# KiCad board ISA_CGA.kicad_pcb (continued)
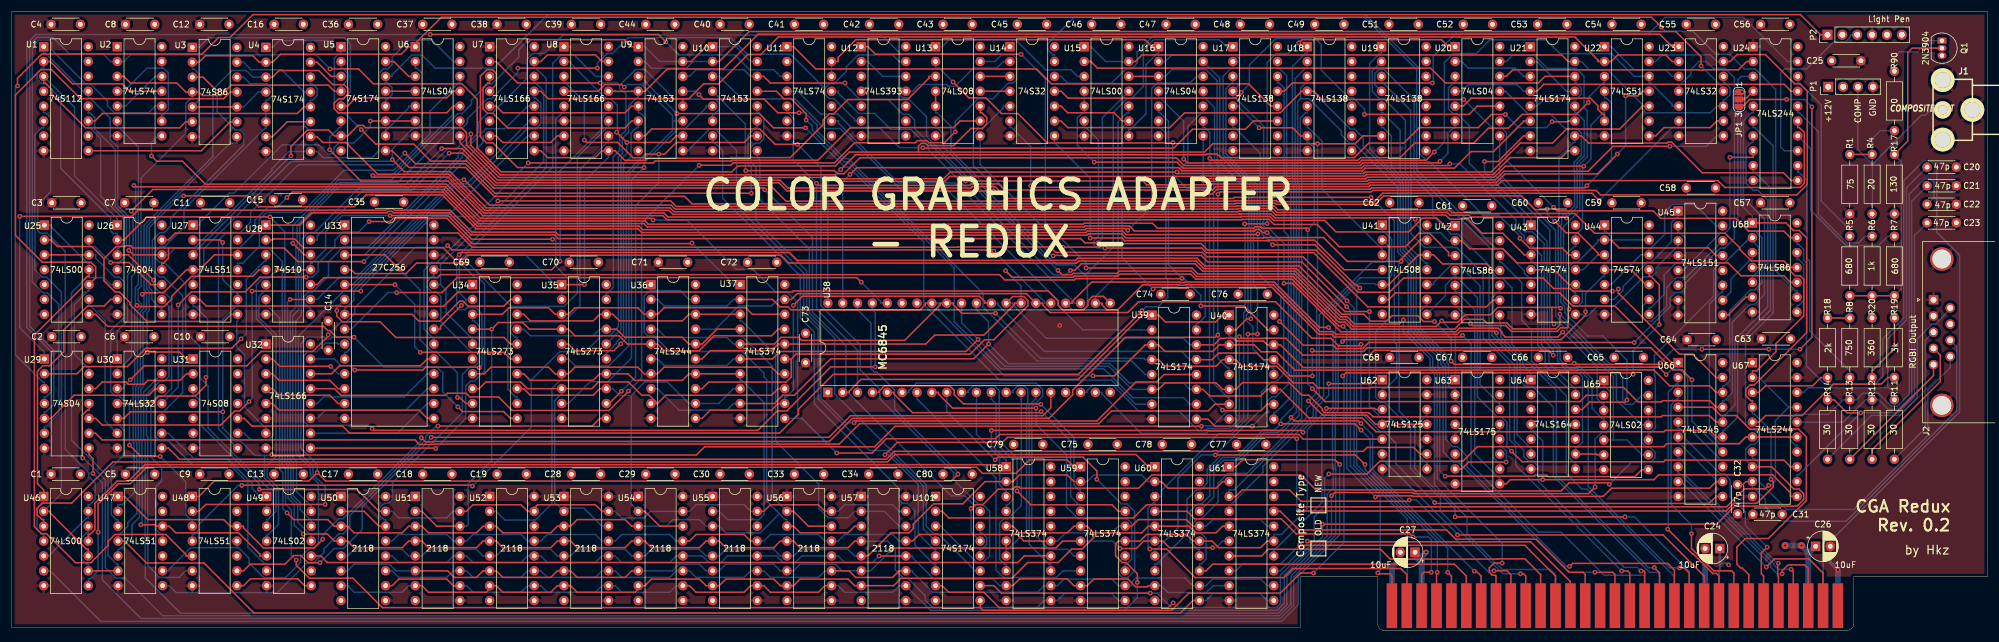
[diagram p0: board, top side]
## Routing (per net, layer and track width the routed paths; a pad name or vN(x,y) marks a point on that pad's centre or on a via; arc(x,y) is an arc through that point) (continued)
Net-(U11-Pad1): length 88
  Top w0.25: U17.12 215.16,89.53 211.35,93.35 177.65,93.35 175.11,95.88 137.4,95.88 133.59,99.69 U11.1
Net-(U11-Pad3): length 197.3
  Top w0.25: v2(71.51,101.78) 110.49,101.78 v2(111.77,100.5)
  Bottom w0.25: v2(111.77,100.5) 113.99,98.28 123.56,98.28 126.1,95.74 130.21,95.74 131.34,94.61 U11.3 ; U29.4 5.59,39.86 5.87,39.86 6.73,40.72 6.73,47.61 2.59,51.75 2.59,100.23 4.14,101.78 v2(71.51,101.78)
Net-(U11-Pad4): length 89.8
  Top w0.25: U17.11 212.19,86.99 210.78,85.58 201.77,85.58 198.53,82.35 155.79,82.35 v2(155.7,82.44)
  Bottom w0.25: U11.4 134.31,92.07 138.2,88.18 141.15,88.18 143.57,85.76 148.38,85.76 151.7,82.44 v2(155.7,82.44)
Net-(U11-Pad12): length 78.5
  Top w0.25: 140.08,97.16 141.21,97.16 141.21,97.86 144.23,100.88 193.65,100.88 194.84,99.69 U16.1
  Bottom w0.25: U15.8 190.88,85.58 191.16,85.58 193.81,88.22 193.81,96.62 195.76,98.57 195.96,98.57 U16.1 ; U11.12 140.08,97.16
Net-(U12-Pad12): length 172.2
  Top w0.25: v2(264.53,54.02) 264.53,52.17 263.87,51.5 256.47,51.5 255.47,52.5 252.04,52.5 251.43,53.12 248.22,53.12 246.55,51.44 229.01,51.44 227.81,52.65 226.73,52.65 218.94,60.43 202.48,60.43 201.56,61.36 189.24,61.36 188.85,60.97 181.41,60.97 181.2,60.75 179.49,60.75 v2(178.77,61.46)
  Bottom w0.25: 145.16,97.16 146.29,97.16 148.83,94.61 151.61,94.61 ; U65.13 278.53,40.13 277.01,38.61 275.65,38.61 275.27,39 275.27,43.28 v2(264.53,54.02) ; 151.61,94.61 151.61,91.61 152.27,90.95 153.05,90.95 156.31,87.69 156.31,84.34 163.18,77.48 163.37,77.48 163.98,76.86 163.98,76.25 v2(178.77,61.46) ; 151.61,94.61 U12.12
Net-(U13-Pad1): length 28.5
  Bottom w0.25: U13.1 158.99,99.69 160.16,100.87 171.53,100.87 176.66,95.74 181.01,95.74 182.14,94.61 U15.3
Net-(U13-Pad9): length 185.3
  Top w0.25: v2(59.66,57.93) v2(41.06,57.93) ; v2(88.26,79.83) 109.63,79.83 109.96,80.16 122.96,80.16 123.09,80.29 137.75,80.29 143.33,85.87 160.92,85.87 162.04,86.99 U13.9 ; v2(40.54,39.04) 38.96,37.47 38.12,37.47 35.73,35.07 15.46,35.07 14.33,36.19 U29.10
  Bottom w0.25: v2(88.26,79.83) 79.1,70.67 71.86,70.67 59.66,58.47 v2(59.66,57.93) ; v2(41.06,57.93) 41.06,39.56 v2(40.54,39.04)
Net-(U13-Pad11): length 5.1
  Top w0.25: U13.11 U14.4
Net-(U13-Pad12): length 5.1
  Top w0.25: U13.12 U14.3
Net-(U14-Pad1): length 149.4
  Bottom w0.25: U14.1 169.44,99.69 168.22,98.47 151.86,98.47 148.66,101.68 94.19,101.68 91.03,98.52 89.04,98.52 88.01,97.49 88.01,94.26 82.05,88.3 81.3,88.3 79.76,86.76 79.76,85.04 76.32,81.59 76.32,80.83 60.96,65.47 56.63,65.47 54.12,62.96 54.12,60.52 51.38,57.78 50.72,57.78 49.93,57 49.93,55.94 50.77,55.1 51.05,55.1 U28.8
Net-(U14-Pad5): length 197.3
  Top w0.25: v2(73.47,82.29) 76.93,82.29 82.77,76.45 131.08,76.45 132.5,75.03 v2(167.76,75.03)
  Bottom w0.25: U49.13 51.18,21.45 50.9,21.45 48.66,23.69 48.66,28.87 48.03,29.5 48.03,53.7 49.01,54.69 49.01,65.29 49.22,65.49 49.22,69.05 56.21,76.05 67.23,76.05 v2(73.47,82.29) ; v2(167.76,75.03) 167.76,75.94 164.33,79.37 164.33,84.9 165.15,85.72 165.91,85.72 169.44,89.25 169.44,89.53 U14.5
Net-(U14-Pad8): length 72.2
  Top w0.25: 234.19,61.59 227.65,61.59 222.61,66.64 214.79,66.64 214.71,66.55 190.16,66.55 189.71,67.01 v2(184.28,67.01)
  Bottom w0.25: U14.8 178.18,83.33 184.28,77.23 v2(184.28,67.01)
Net-(U14-Pad11): length 170.6
  Top w0.25: U65.8 278.53,27.43 277.35,26.26 262.53,26.26 262.29,26.49 260.37,26.49 260.2,26.32 v2(244.93,26.32) ; v2(210.09,91.88) 209.1,90.9 180.48,90.9 179.31,92.07 U14.11
  Bottom w0.25: v2(244.93,26.32) 244.01,27.25 244.01,44.67 243.69,44.99 243.69,46.64 239.07,51.25 239.07,63.01 237.29,64.79 237.29,76.35 230.92,82.71 230.92,84.11 229.42,85.62 228.73,85.62 222.63,91.72 222.63,100.55 222.1,101.09 216,101.09 211.48,96.58 211.48,93.28 v2(210.09,91.88)
Net-(U14-Pad12): length 90.3
  Top w0.25: v2(231.14,88.12) 249.01,88.12 250.42,89.53 U20.10
  Bottom w0.25: v2(231.14,88.12) 231.14,89.01 229.2,90.95 228.5,90.95 223.76,95.69 223.76,100.06 222.27,101.55 195.04,101.55 192.3,98.8 192.3,96.88 191.31,95.88 190.35,95.88 187.89,93.42 180.5,93.42 179.31,94.61 U14.12
Net-(U14-Pad13): length 117.9
  Bottom w0.25: 178.18,97.16 178.18,98.28 177.9,98.28 177,99.18 177,100.18 181.53,104.71 231.13,104.71 240.07,95.76 240.07,78.69 253.52,65.24 254.62,65.24 258.46,61.4 258.46,61.02 259.31,60.18 259.59,60.18 U43.5
Net-(U15-Pad2): length 99
  Top w0.25: 183.26,97.16 184.39,97.16 185.51,96.03 242.45,96.03 244.99,93.49 260.87,93.49 262,94.61 U21.14
  Bottom w0.25: U21.5 260.59,89.53 261.71,90.66 267.27,90.66 268.21,91.6 268.21,92.57 267.28,93.49 267.08,93.49 U21.14
Net-(U15-Pad4): length 125.7
  Top w0.25: v2(184.96,79.97) 199.11,79.97 200.14,78.94 230.63,78.94 231.08,79.39 245.45,79.39 v2(245.73,79.67)
  Bottom w0.25: v2(245.73,79.67) 247.43,79.67 257.06,70.05 257.06,68.69 258.46,67.28 258.46,66.67 259.59,66.67 259.59,65.55 259.87,65.55 261.4,64.02 261.4,48.71 262.67,47.44 262.67,45.66 266.94,41.38 267.21,41.38 U64.13 ; v2(184.96,79.97) 182.07,82.86 182.07,87.5 182.98,88.41 183.26,88.41 U15.5 U15.4
Net-(U15-Pad6): length 96.9
  Top w0.25: U42.9 253.13,56.39 252,55.26 231.68,55.26 222.45,64.5 204.15,64.5 203.36,65.29 v2(186.81,65.29)
  Bottom w0.25: v2(186.81,65.29) 185.47,65.29 184.89,65.87 184.89,66.48 185.69,67.28 185.69,83.72 183.54,85.87 183.26,85.87 U15.6
Net-(U15-Pad11): length 173.5
  Top w0.25: v2(185.61,66.18) 183.39,66.18 182.65,66.91 93.38,66.91 92.74,67.55 78.47,67.55 74.71,71.31 65.22,71.31 64.95,71.58 64.35,71.58 64.09,71.31 51.24,71.31 49.14,69.21 U28.1
  Bottom w0.25: U15.11 186.36,87.56 186.36,66.93 v2(185.61,66.18)
Net-(U15-Pad12): length 71.1
  Top w0.25: U15.12 U16.3
  Bottom w0.25: U40.12 215.65,44.81 215.36,44.81 212.09,48.09 212.09,51.79 210.96,52.92 210.96,53.84 211.24,54.13 211.24,68.72 211.4,68.88 211.4,74.89 205.96,80.32 205.96,93.89 204.07,95.78 198.25,95.78 197.09,94.61 U16.3
Net-(U16-Pad2): length 126.6
  Top w0.25: v2(265.02,50.95) 264.16,50.09 255.21,50.09 254.63,50.68 254.63,50.95 253.98,51.6 247.38,51.6 246.77,50.99 227.11,50.99 218.84,59.26 v2(217.39,59.26)
  Bottom w0.25: v2(217.39,59.26) 217.39,66.08 214.76,68.71 214.25,68.71 213.76,69.2 213.76,69.74 213.92,69.9 213.92,86.1 209.07,90.95 208.66,90.95 U17.4 209.79,93.21 209.79,97.62 209.13,98.28 198.21,98.28 197.09,97.16 195.96,97.16 ; U65.3 272.03,38.72 271.75,38.72 270.91,39.56 270.91,45.06 v2(265.02,50.95)
Net-(U16-Pad4): length 120.6
  Top w0.25: v2(200.25,80.49) 200.9,79.84 230.25,79.84 230.7,80.29 241.66,80.29 v2(243.08,81.71)
  Bottom w0.25: U23.5 283.74,89.53 283.74,89.82 280.06,93.49 279.78,93.49 U22.12 277.24,94.61 273.36,98.5 264.54,98.5 262.17,100.87 252.61,100.87 250.25,98.51 246.35,98.51 244.79,96.95 244.79,83.42 v2(243.08,81.71) ; U16.4 195.96,90.95 196.24,90.95 200.25,86.95 v2(200.25,80.49)
Net-(U16-Pad9): length 323.6
  Top w0.25: U29.9 14.33,33.66 15.46,32.53 68.9,32.53 69.69,31.74 72.1,31.74 72.17,31.81 141.39,31.81 144.89,35.31 185.76,35.31 187.93,37.47 204.43,37.47 205.57,38.61 U40.7 ; v2(269.4,90.17) 267.35,88.12 258.09,88.12 255.75,85.77 252.33,85.77 249.81,83.25 239.76,83.25 237.24,80.74 230.52,80.74 230.07,80.29 205.02,80.29 v2(204.72,80.59)
  Bottom w0.25: v2(269.4,90.17) 269.4,91 271.88,93.49 272.16,93.49 U22.3 ; U40.7 208.03,39.73 207.82,39.73 205.36,42.19 205.36,78.81 204.72,79.45 v2(204.72,80.59) 204.72,85.01 203.86,85.87 203.58,85.87 U16.9
Net-(U17-Pad5): length 348.8
  Top w0.25: v2(222.23,41.27) 224.44,39.06 267.97,39.06 269.04,40.13 U65.2 ; v2(20.89,75.98) 21.11,75.76 74.09,75.76 79.92,69.92 108.21,69.92 108.77,69.36 183.07,69.36 183.24,69.53 194.92,69.53 195.77,68.68 212.22,68.68 212.44,68.91 213.42,68.91 213.64,68.68 221.19,68.68 v2(221.44,68.43) ; U18.7 220.24,84.45 218.85,85.84 v2(213.15,85.84)
  Bottom w0.25: U18.7 221.36,83.33 221.64,83.33 222.56,82.42 222.56,69.55 v2(221.44,68.43) 221.44,42.06 v2(222.23,41.27) ; U17.5 209.79,89.53 209.79,89.21 v2(213.15,85.84) ; v2(20.89,75.98) 21.18,75.69 21.18,61.11 20.48,60.42 20.48,46.69 18.74,44.94 18.03,44.94 U30.2
Net-(U18-Pad6): length 28.4
  Bottom w0.25: U41.3 234.19,65.26 234,65.26 223.91,75.36 223.91,83.53 221.57,85.87 221.36,85.87 U18.6
Net-(U19-Pad5): length 31.4
  Bottom w0.25: U19.5 234.06,88.41 234.27,88.41 237.24,85.44 237.24,78.33 238.64,76.94 238.64,65.67 241.58,62.72 241.81,62.72 241.81,61.59
Net-(U20-Pad2): length 13.9
  Bottom w0.25: U21.3 258.34,94.61 256.92,96.03 248.88,96.03 247.76,97.16 246.63,97.16
Net-(U20-Pad5): length 28.7
  Top w0.25: U22.6 272.16,88.12 271.88,88.12 271.04,88.96 271.04,89.6 269.74,90.89 249.37,90.89 248.01,89.53 U20.5
Net-(U20-Pad11): length 79.9
  Top w0.25: v2(275.99,39.35) 275.62,38.97 269.59,38.97 268.33,37.72 U64.12
  Bottom w0.25: U20.11 255.38,92.07 255.38,91.93 259.05,88.27 262.84,88.27 265.38,85.72 267.4,85.72 268.21,84.92 268.21,81.18 266.98,79.94 266.98,78.6 267.04,78.53 267.04,72.47 265.77,71.2 265.38,71.2 264.83,70.65 264.83,69.37 264.7,69.24 264.7,55.99 265.38,55.32 265.38,54.21 269.32,50.27 271.88,50.27 275.99,46.16 v2(275.99,39.35)
Net-(U20-Pad12): length 44.4
  Top w0.25: U20.12 255.38,94.61 256.5,95.74 288.29,95.74 288.35,95.69 288.95,95.69 289,95.74 295.02,95.74 296.44,97.16 297.56,97.16
Net-(U20-Pad13): length 84.9
  Top w0.25: 249.38,52.27 v2(249.26,52.39) 249.6,52.05 255.29,52.05 256.29,51.05 264.05,51.05 264.67,51.67 265.8,51.67 265.94,51.82 265.94,54.7 v2(266.1,54.87) 266.1,54.57
  Bottom w0.25: v2(249.26,52.39) 249.26,52.9 246.9,55.26 246.63,55.26 U42.6 ; 254.25,97.16 255.38,97.16 256.51,98.28 260.09,98.28 262.4,95.98 267.31,95.98 268.67,94.62 268.67,89.27 269.2,88.74 269.2,80.89 267.88,79.57 267.88,78.97 267.94,78.9 267.94,71.71 265.15,68.92 265.15,56.18 266.1,55.23 v2(266.1,54.87)
Net-(U21-Pad13): length 9.7
  Bottom w0.25: U21.13 265.67,92.07 260.59,97.16 259.46,97.16
Net-(U22-Pad1): length 14.8
  Bottom w0.25: U23.3 283.74,94.61 282.61,95.74 277.24,95.74 273.29,99.69 U22.1
Net-(U22-Pad8): length 13.8
  Top w0.25: U23.9 291.36,86.99 290.23,85.87 282.32,85.87 280.91,84.45 U22.8
Net-(U23-Pad4): length 358.9
  Top w0.25: v2(212.93,67.73) 212.79,67.59 190.4,67.59 189.81,68.18 183.8,68.18 183.56,67.95 107.64,67.95 107.02,68.57 79.36,68.57 73.56,74.37 60.54,74.37 58.52,72.36 42.19,72.36 40.34,74.21 v2(29.36,74.21) ; v2(216.63,52.75) 220.69,48.69 225.77,48.69 226.34,48.12 230.83,48.12 231.87,49.16 v2(277.24,49.16)
  Bottom w0.25: v2(216.63,52.75) 216.84,52.96 216.84,57.09 212.93,61 v2(212.93,67.73) ; v2(29.36,74.21) 28.92,74.21 23.51,68.79 23.51,58.51 23.94,58.08 23.94,56.54 25.38,55.1 25.65,55.1 U26.8 ; U23.4 284.86,93.2 285.14,93.2 286.92,94.98 286.92,95.77 288.32,97.16 289.56,97.16 290.76,95.96 292.78,95.96 294.36,94.38 294.36,66.93 292.7,65.28 291.95,65.28 286,59.33 286,58.54 285.15,57.69 284.31,57.69 283.36,56.74 283.36,55.28 v2(277.24,49.16)
Net-(U23-Pad6): length 251.2
  Top w0.25: v2(271.26,73.4) 270.01,74.65 234.25,74.65 232.81,73.21 216.26,73.21 216.08,73.39 208.97,73.39 208.88,73.3 132.32,73.3 129.61,76 82.59,76 77.07,81.51 v2(74.74,81.51)
  Bottom w0.25: 51.05,66.67 52.18,66.67 52.18,67.32 59.96,75.1 68.33,75.1 v2(74.74,81.51) ; v2(271.26,73.4) 283.73,85.87 284.86,85.87 U23.6
Net-(U24-Pad8): length 29.2
  Top w0.25: v2(293.59,80.79) 297.56,80.79 U24.8
  Bottom w0.25: v2(293.59,80.79) 293.59,68.7 292.71,67.82 291.93,67.82 285.86,61.75 285.86,61.47 U45.5
Net-(U25-Pad1): length 93.1
  Top w0.25: 13.21,61.59 13.21,60.47 12.93,60.47 12.08,59.63 12.08,58.62 3.88,50.41 3.88,17.71 5.07,16.51 5.94,16.51 10.91,11.55 13.52,11.55 16.48,14.5 16.48,15.2 17.64,16.37 26.35,16.37 29.74,12.98 29.74,12.7 U48.5
  Bottom w0.25: U25.1 6.71,69.21 6.71,68.93 12.93,62.72 13.21,62.72 13.21,61.59
Net-(U25-Pad9): length 25
  Bottom w0.25: U30.6 15.96,35.73 15.96,52.92 13.49,55.39 13.21,55.39 13.21,56.52
Net-(U25-Pad12): length 66.9
  Top w0.25: v2(25.38,29.7) 22.06,29.7 v2(20.14,31.62) ; U25.3 U25.12
  Bottom w0.25: U48.3 30.86,18.91 30.58,18.91 29.74,19.75 29.74,25.34 v2(25.38,29.7) ; U25.12 14.33,64.13 14.33,63.57 17.58,60.32 18.39,60.32 19.22,59.49 19.22,53.5 16.91,51.18 16.91,40.79 17.61,40.08 18.32,40.08 20.14,38.26 v2(20.14,31.62)
Net-(U25-Pad13): length 16.3
  Top w0.25: U26.10 23.8,59.05 20.04,62.82 v2(16.93,62.82)
  Bottom w0.25: 13.21,66.67 13.21,65.55 14.2,65.55 v2(16.93,62.82)
Net-(U26-Pad5): length 74.2
  Top w0.25: U46.9 U47.6
  Bottom w0.25: U46.9 13.08,11.29 12.8,11.29 11.96,12.13 11.96,15.81 12.8,16.65 13.08,16.65 U46.12 ; U47.6 18.16,11.29 17.96,11.29 16.45,12.79 16.45,26.26 10.23,32.49 10.23,57.68 12.79,60.25 15.72,60.25 16.91,59.05 U26.5
Net-(U26-Pad6): length 51.6
  Top w0.25: U46.1 5.46,23.99 4.4,25.05 4.4,44.27 5.33,45.2 6.5,45.2 8.91,47.61 8.91,51.33 12.97,55.39 15.78,55.39 16.91,56.52 18.03,56.52
  Bottom w0.25: U46.1 5.46,21.73 5.18,21.73 4.34,20.89 4.34,17.21 5.18,16.37 5.46,16.37 U46.4
Net-(U26-Pad9): length 57
  Bottom w0.25: 25.65,56.52 26.87,55.3 26.87,43.36 26.05,42.54 25.29,42.54 23.02,40.28 23.02,33.26 23.25,33.04 23.25,11.07 25.28,9.03 28.61,9.03 29.74,10.16 U48.6
Net-(U28-Pad3): length 52.4
  Top w0.25: v2(39.19,49.77) 37.59,48.18 22.9,48.18 19.78,45.05 12.38,45.05 11.15,43.81 U29.2
  Bottom w0.25: U28.3 43.43,63.01 43.15,63.01 40.08,59.94 40.08,50.67 v2(39.19,49.77)
Net-(U28-Pad5): length 48.1
  Bottom w0.25: U28.5 43.43,57.93 43.15,57.93 42.25,57.03 42.25,53.45 45.16,50.54 45.16,29.7 43.66,28.2 43.66,26.18 45.59,24.25 45.59,18.11 43.84,16.37 43.56,16.37 U49.4
Net-(U29-Pad11): length 324.8
  Top w0.25: v2(270.55,24.47) 269.43,23.35 239.58,23.35 239.4,23.53 226.04,23.53 v2(225.5,23) ; U29.11 13.21,37.61 12.93,37.61 12.04,36.73 12.04,29.53 v2(12.14,29.43)
  Bottom w0.25: v2(225.5,23) 225.5,16.18 218.58,9.26 218.58,4.46 216.6,2.48 25.78,2.48 19.34,8.93 17.79,8.93 16,10.71 16,25.7 12.28,29.43 v2(12.14,29.43) ; U65.1 272.03,41.55 272.32,41.55 273.16,40.7 273.16,34.52 272.42,33.78 271.68,33.78 270.55,32.65 v2(270.55,24.47)
Net-(U29-Pad12): length 19.1
  Top w0.25: U31.2 29.86,43.81 28.74,42.69 23.26,42.69 22.6,42.03 19.92,42.03 19.54,42.4 15.46,42.4 14.33,41.28 13.21,41.28
Net-(U30-Pad9): length 22.9
  Bottom w0.25: U49.1 42.44,22.86 41.12,24.17 41.12,25.04 36.93,29.24 31.2,29.24 26.78,33.66 U30.9
Net-(U32-Pad2): length 14.5
  Top w0.25: U32.2 44.56,46.35 45.83,45.09 v2(54.5,45.09)
  Bottom w0.25: U33.11 55.77,43.81 v2(54.5,45.09)
Net-(U32-Pad3): length 14.5
  Top w0.25: 56.9,41.28 55.77,41.28 54.36,42.69 45.68,42.69 44.56,43.81 43.43,43.81
Net-(U32-Pad4): length 14.5
  Top w0.25: U33.13 55.77,38.73 54.36,40.15 45.68,40.15 44.56,41.28 43.43,41.28
Net-(U32-Pad5): length 29.8
  Top w0.25: U33.15 71.01,36.19 69.6,37.61 45.68,37.61 44.56,38.73 U32.5
Net-(U32-Pad10): length 23.2
  Bottom w0.25: 51.05,33.66 65.93,33.66 71.01,38.73 U33.16
Net-(U32-Pad11): length 23.2
  Bottom w0.25: 72.14,41.28 71.01,41.28 67.24,37.5 53.48,37.5 52.18,36.19 U32.11
Net-(U32-Pad12): length 23.2
  Bottom w0.25: U33.18 71.01,43.81 67.06,39.86 53.3,39.86 52.18,38.73 U32.12
Net-(U32-Pad14): length 22.1
  Top w0.25: U33.19 71.01,46.35 69.84,45.18 56.02,45.18 54.65,43.81 51.05,43.81
Net-(U33-Pad20): length 258
  Top w0.25: U68.11 303.93,61.98 302.8,63.1 297.23,63.1 295.29,65.04 295.29,65.3 292.78,67.82 270.47,67.82 267.08,71.2 249.35,71.2 249.21,71.34 246.09,71.34 245.59,71.84 216.36,71.84 215.71,72.49 209.35,72.49 209.25,72.39 113.54,72.39 112.59,73.35 v2(83.07,73.35)
  Bottom w0.25: v2(83.07,73.35) 83.07,73.25 72.65,62.83 71.78,62.83 70.46,61.52 70.46,51.41 71.85,50.02 72.14,50.02 U33.20
Net-(U38-Pad4): length 49.8
  Top w0.25: v2(175.84,38.6) 175.77,38.68 162.62,38.68 161.04,40.26 161.04,40.99 160.26,41.77 149.12,41.77 148.19,40.83 148.19,40.64 U38.4
  Bottom w0.25: U59.3 182.63,23.99 182.34,23.99 181.5,24.83 181.5,32.94 v2(175.84,38.6)
Net-(U38-Pad5): length 48
  Top w0.25: v2(175.88,37.38) 175.67,37.18 153.91,37.18 150.73,40.36 150.73,40.64 U38.5
  Bottom w0.25: U59.4 182.63,21.45 182.34,21.45 180.95,22.84 180.95,32.31 v2(175.88,37.38)
Net-(U38-Pad6): length 60.5
  Bottom w0.25: U59.7 181.5,12.7 180.38,13.83 177.28,13.83 174.31,16.8 174.31,38.25 174.73,38.68 174.85,38.68 176.14,39.97 176.14,41.15 175.07,42.22 154.57,42.22 153.27,40.92 153.27,40.64 U38.6
Net-(U38-Pad7): length 51.4
  Bottom w0.25: U38.7 154.69,39.51 168.17,26.03 168.17,10.32 169.47,9.02 178.5,9.02 179.64,10.16 U59.8
Net-(U38-Pad8): length 59.2
  Top w0.25: U38.8 158.35,40.64 158.35,40.36 160.76,37.95 v2(175.03,37.95)
  Bottom w0.25: v2(175.03,37.95) 175.03,35.16 180.23,29.96 180.23,21.06 182.24,19.05 190.58,19.05 191.37,18.26 191.37,12.13 190.53,11.29 190.25,11.29 U59.13
Net-(U38-Pad9): length 60.8
  Top w0.25: v2(168.05,29.13) 168.49,29.57 183.07,29.57 185.41,27.23 v2(185.41,25.8)
  Bottom w0.25: U59.14 189.11,11.56 189.11,9.66 189.75,9.02 190.71,9.02 191.87,10.19 191.87,20.29 190.58,21.59 189.62,21.59 v2(185.41,25.8) ; v2(168.05,29.13) 159.77,37.41 U38.9
Net-(U38-Pad10): length 45.7
  Top w0.25: v2(171.78,23.79) 174.13,21.45 188,21.45 189.12,20.32 U59.17
  Bottom w0.25: v2(171.78,23.79) 171.78,29.35 168.74,32.38 168.74,40.95 167.93,41.77 164.28,41.77 163.43,40.92 163.43,40.64 U38.10
Net-(U38-Pad11): length 20
  Bottom w0.25: U58.3 169.93,23.99 169.64,23.99 168.8,24.83 168.8,29.55 164.85,33.51 U38.11
Net-(U38-Pad12): length 22.5
  Bottom w0.25: U58.4 169.93,21.45 170.21,21.45 171.05,22.29 171.05,29.12 168.21,31.96 168.21,38.7 167.39,39.51 U38.12
Net-(U38-Pad13): length 34.7
  Bottom w0.25: U38.13 171.05,40.64 171.05,40.92 171.9,41.77 172.96,41.77 173.61,41.12 173.61,38.83 173.4,38.62 173.4,17.02 170.21,13.83 169.93,13.83 U58.7
Net-(U38-Pad14): length 33.1
  Bottom w0.25: U58.8 169.93,11.29 169.64,11.29 168.8,12.13 168.8,18.32 169.53,19.05 170.25,19.05 172.5,21.3 172.5,39.48 172.47,39.51 U38.14
Net-(U38-Pad15): length 32.7
  Bottom w0.25: U38.15 175.01,39.51 174.93,39.51 173.85,38.44 173.85,14.7 177.26,11.29 177.55,11.29 U58.13
Net-(U38-Pad16): length 156.6
  Top w0.25: v2(71.67,32.97) 139.65,32.97 143.34,36.66 176.19,36.66 177.55,38.01 U38.16 ; v2(52.68,11.56) 50.63,11.56 49.41,12.77 48.16,12.77 46.68,11.29 40.73,11.29 39.61,10.16 U48.9
  Bottom w0.25: v2(71.67,32.97) 71.67,32.86 59.9,21.09 59.9,17.21 56.66,13.97 55.09,13.97 v2(52.68,11.56)
Net-(U41-Pad6): length 55.9
  Top w0.25: U66.1 283.61,45.72 273.94,55.39 266.74,55.39 264.49,57.64 236.44,57.64 235.31,56.52 234.19,56.52
Net-(U41-Pad8): length 94.1
  Top w0.25: v2(256.27,30.6) 258.07,28.79 282.26,28.79 282.53,29.07 302.8,29.07 303.93,27.94 U67.13
  Bottom w0.25: 246.63,60.34 246.92,60.34 250.44,56.82 250.44,39.87 253.86,36.45 254.58,36.45 255.49,35.53 255.49,31.37 v2(256.27,30.6) ; 246.63,60.34 U42.4 ; 246.63,60.34 246.38,60.34 244.98,58.95 244.98,57.15 U41.8
Net-(U41-Pad9): length 28.7
  Bottom w0.25: 241.81,56.52 241.81,55.39 241.53,55.39 240.68,54.54 240.68,51.55 245.23,47.01 245.23,45.68 245.51,45.4 245.51,41.81 245.93,41.38 246.63,41.38 U63.2 246.63,39.13 246.92,39.13 247.83,38.22 247.83,34.68 246.92,33.76 246.63,33.76 U63.5
Net-(U41-Pad10): length 34.9
  Bottom w0.25: U63.14 254.25,38.84 254.05,38.84 250.89,42 250.89,58.84 247.13,62.6 246.16,62.6 242.93,59.37 242.93,59.05 U41.10
Net-(U42-Pad3): length 208
  Top w0.25: v2(54.33,82.08) 59.67,76.73 74.59,76.73 80.5,70.82 111.26,70.82 111.97,70.12 210.16,70.12 210.24,70.19 214.82,70.19 215.69,69.32 223.05,69.32 226.85,65.53 238.16,65.53 240.44,67.81 242.27,67.81 245.51,64.57 245.51,64.01 U42.3
  Bottom w0.25: v2(54.33,82.08) 54.33,84.22 55.98,85.87 56.26,85.87 U5.6
Net-(U42-Pad5): length 101.2
  Top w0.25: U67.11 303.93,22.86 303.93,23.5 300.87,26.56 281.43,26.56 280.59,25.73 v2(261.6,25.73) 256.09,25.73 255.38,25.02 U63.9
  Bottom w0.25: U63.9 254.25,26.14 253.97,26.14 249.99,30.13 249.99,54.73 246.92,57.8 246.63,57.8 U42.5 ; U64.4 259.59,34.05 259.87,34.05 261.6,32.32 v2(261.6,25.73)
Net-(U42-Pad8): length 13.3
  Bottom w0.25: U64.1 259.59,43.92 258.2,45.32 258.2,46.37 254.42,50.15 254.42,52.56 254.25,52.72 U42.8
Net-(U42-Pad10): length 32.4
  Bottom w0.25: U42.10 254.25,57.8 253.97,57.8 252.94,56.77 252.94,50.35 257.21,46.08 257.21,33.42 259.41,31.22 259.59,31.22 U64.6
Net-(U45-Pad9): length 6.5
  Top w0.25: U68.6 296.31,56.9 293.48,54.07 293.48,53.85 U45.9
Net-(U45-Pad10): length 10.4
  Bottom w0.25: U68.3 297.43,63.39 297.15,63.39 293.77,60.01 293.77,57.8 U45.10
Net-(U48-Pad8): length 16.2
  Top w0.25: U48.8 39.61,7.62 40.8,8.81 48.86,8.81 50.06,7.62 U49.8
  In1.Cu w0.25: U49.8 U49.9
Net-(U49-Pad10): length 127.3
  Top w0.25: U58.14 173.02,12.7 171.9,11.57 53.94,11.57 52.81,12.7 U49.10
Net-(U62-Pad12): length 11.4
  Bottom w0.25: U62.8 241.81,28.68 241.63,28.68 240.63,29.68 240.63,35.64 241.59,36.59 241.81,36.59 U62.12
Net-(U63-Pad10): length 8.9
  Bottom w0.25: U63.13 254.25,34.05 253.97,34.05 253.13,33.21 253.13,29.53 253.97,28.68 254.25,28.68 U63.10
Net-(U63-Pad12): length 13.7
  Top w0.25: U63.7 247.76,27.56 248.94,28.74 v2(255.34,28.74)
  Bottom w0.25: U63.12 254.25,31.51 254.47,31.51 255.39,30.59 255.39,28.79 v2(255.34,28.74)
Net-(U65-Pad10): length 51.9
  Bottom w0.25: U68.5 297.43,60.56 297.64,60.56 298.59,61.51 298.59,65.34 296.87,67.06 ; U65.10 279.65,33.64 279.94,33.64 280.84,34.54 280.84,43.35 280.68,43.51 280.68,46.94 290.81,57.08 290.81,61.61 291.97,62.77 292.73,62.77 296.87,66.92 296.87,67.06 ; 296.87,67.06 U68.2
Net-(U68-Pad12): length 11.4
  Bottom w0.25: U68.12 305.05,63.39 305.31,63.39 306.19,62.51 306.19,56.34 305.34,55.48 305.05,55.48 U68.8
Net-(U101-Pad3): length 125.6
  Top w0.25: v2(134.26,83.01) 130.44,83.01 127.81,85.65 109.38,85.65 108.19,84.45 U9.7
  Bottom w0.25: v2(134.26,83.01) 138.27,79 138.27,55.47 144.98,48.76 144.98,44.53 148.34,41.17 148.34,39.56 160.94,26.95 160.94,25.74 165.12,21.55 165.85,21.55 167.09,20.31 167.09,12.71 165.93,11.54 164.95,11.54 158.99,17.5 158.99,17.78 U101.3
Net-(U101-Pad4): length 95
  Bottom w0.25: U101.4 155.76,17.34 155.76,24.68 149.72,30.72 146.59,30.72 137.78,39.53 137.78,51.48 135.35,53.91 135.35,60.98 123.85,72.48 123.85,81.97 120.2,85.62 119.23,85.62 115.81,82.2 115.81,81.91 U9.9
Net-(U101-Pad12): length 6.3
  Bottom w0.25: U101.14 165.48,16.65 165.76,16.65 166.61,15.81 166.61,14.67 165.76,13.83 165.48,13.83 U101.12

## Copper pours and planes (outline as drawn; the poured copper is in the pictures)
GND on Top: 341,9.16 225.04,9.16 225.04,-6.34 -4.83,-6.34 -4.83,115.71 340.87,115.71 341,115.84
GND on Bottom: 341,9.14 225.04,9.14 225.04,-6.35 -4.83,-6.35 -4.83,115.7 340.87,115.7 341,115.82
GND on In1.Cu: 341,9.16 225.04,9.16 225.04,-6.34 -4.83,-6.34 -4.83,115.71 340.87,115.71 341,115.84
VCC on In2.Cu: 341,9.14 225.04,9.14 225.04,-6.35 -4.83,-6.35 -4.83,115.7 340.87,115.7 341,115.82

## Text on the board
B.Silkscreen: - JP1: Jumper 2-3 / - R1: 100 ohm / - R4: 51 ohm / - R5: 3.3k ohm / - R6: 13k ohm / - R7: 5.6k ohm / - R8: 2.2k ohm | - R17: do not populate / - R18: do not populate / - R19: do not populate / - R20: do not populate / - R90: 33 ohm | "OLD" Composite Mod
F.Silkscreen: Light Pen | NEW | OLD | +12V | COMP | GND | Composite Type | by Hkz | CGA Redux / Rev. 0.2 | COLOR GRAPHICS ADAPTER / - REDUX -
